# KiCad board Catancenter.kicad_pcb
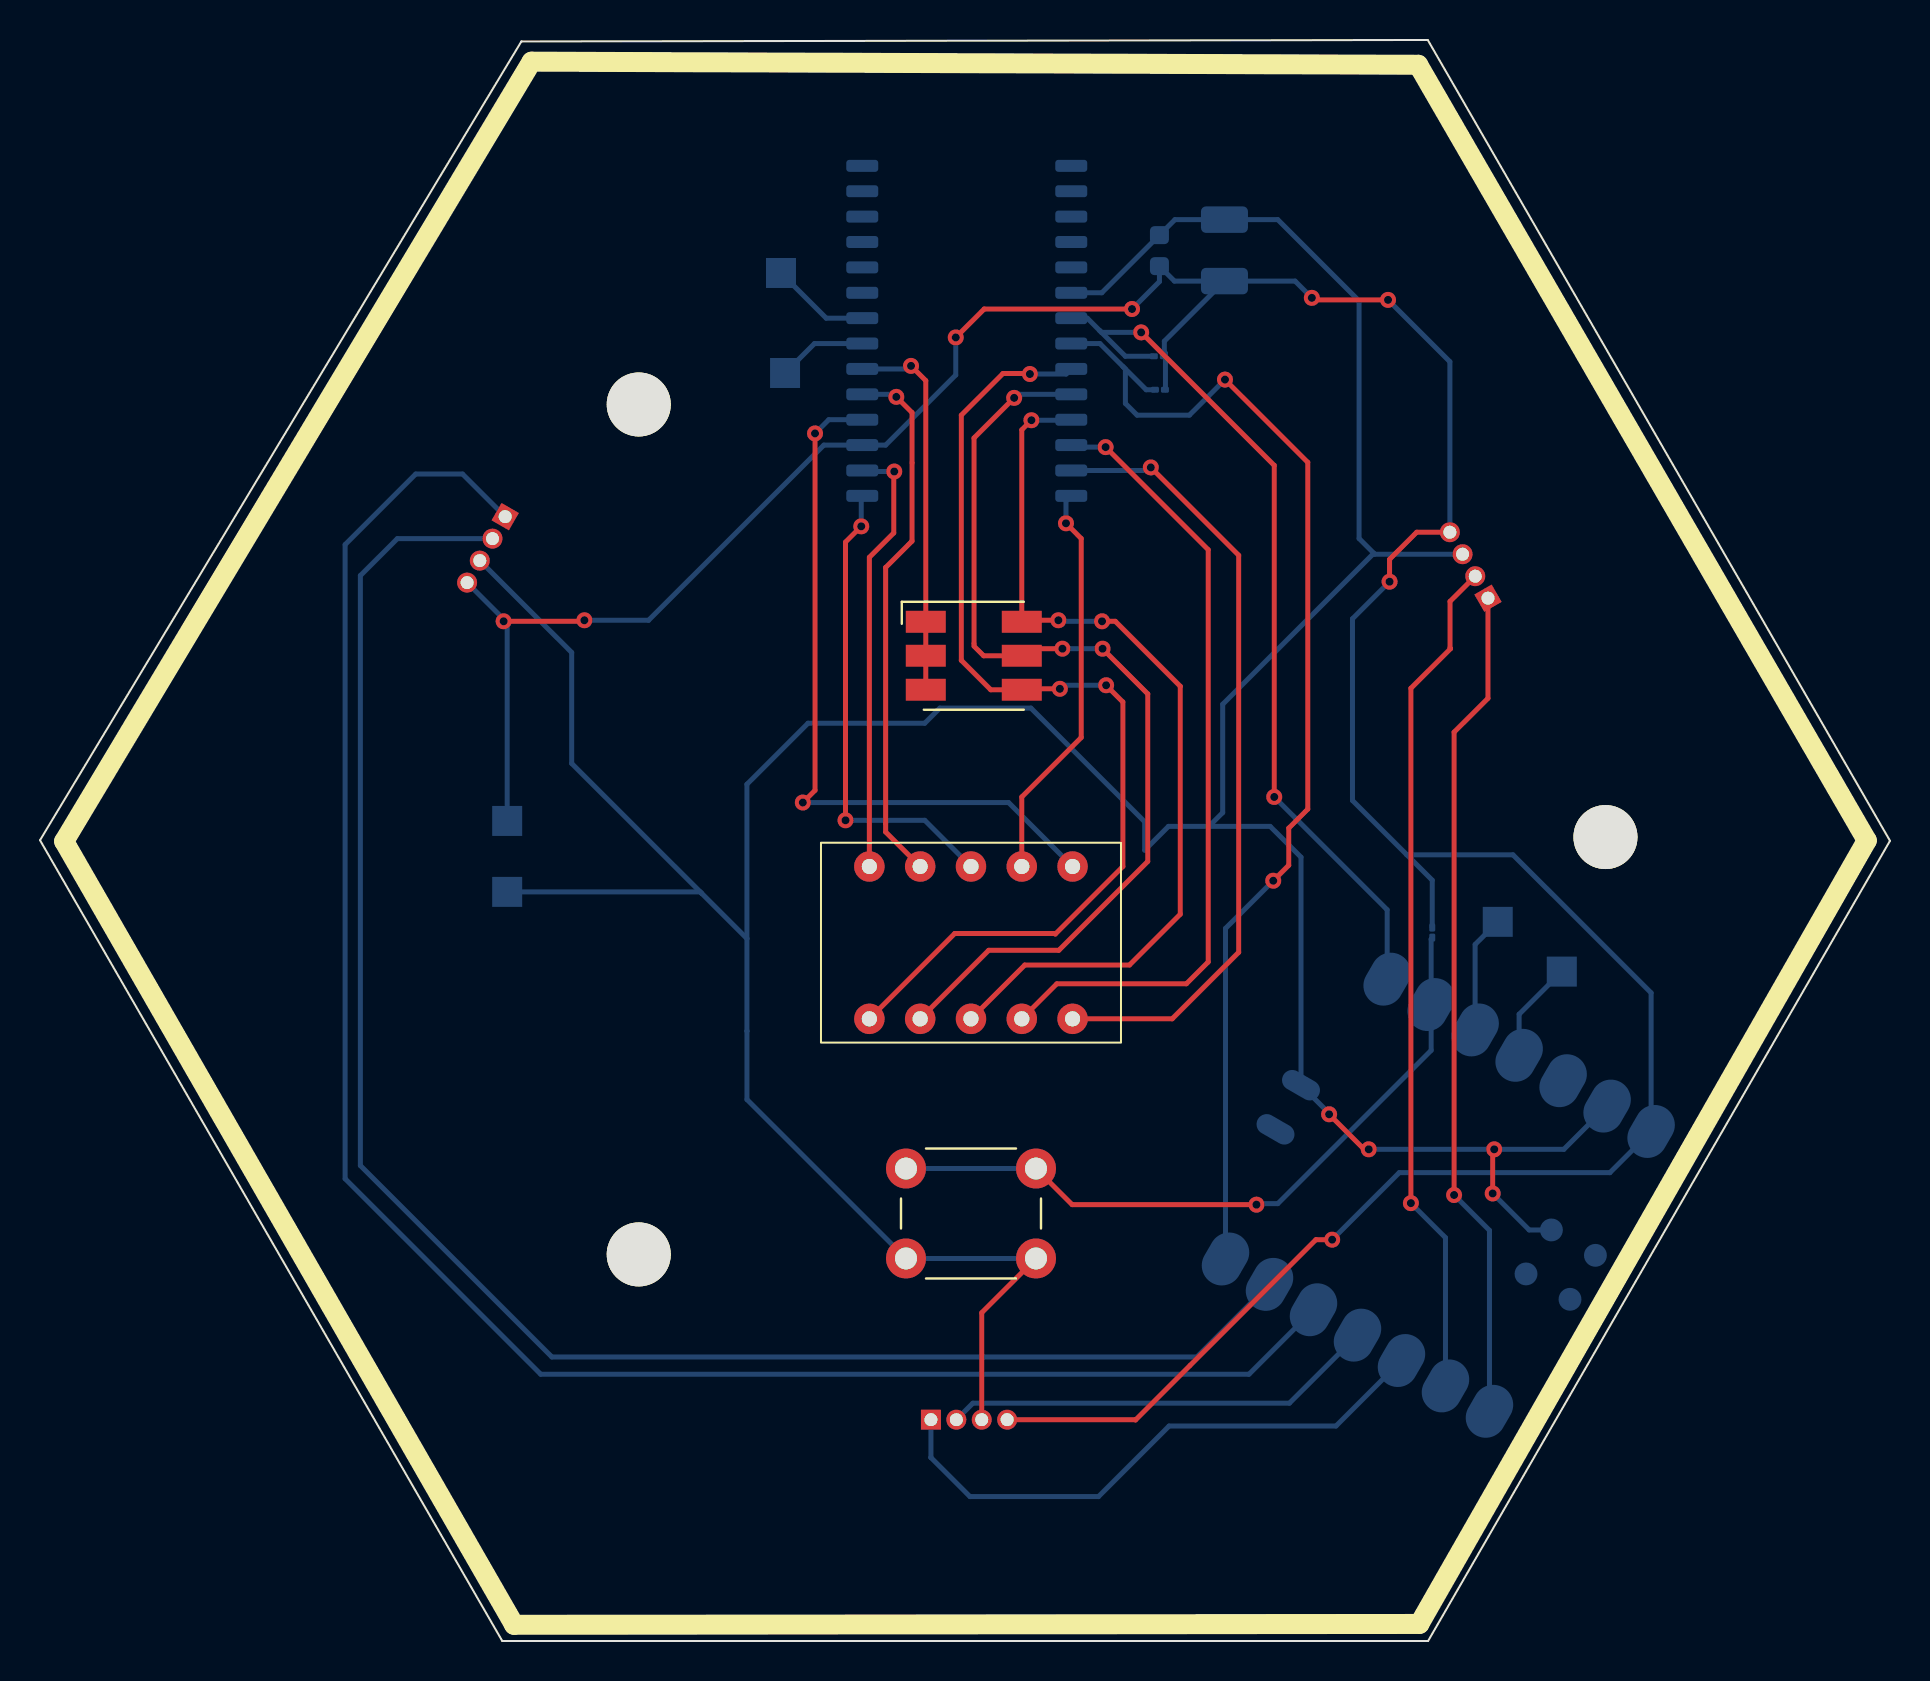
[diagram p0: board, top side]
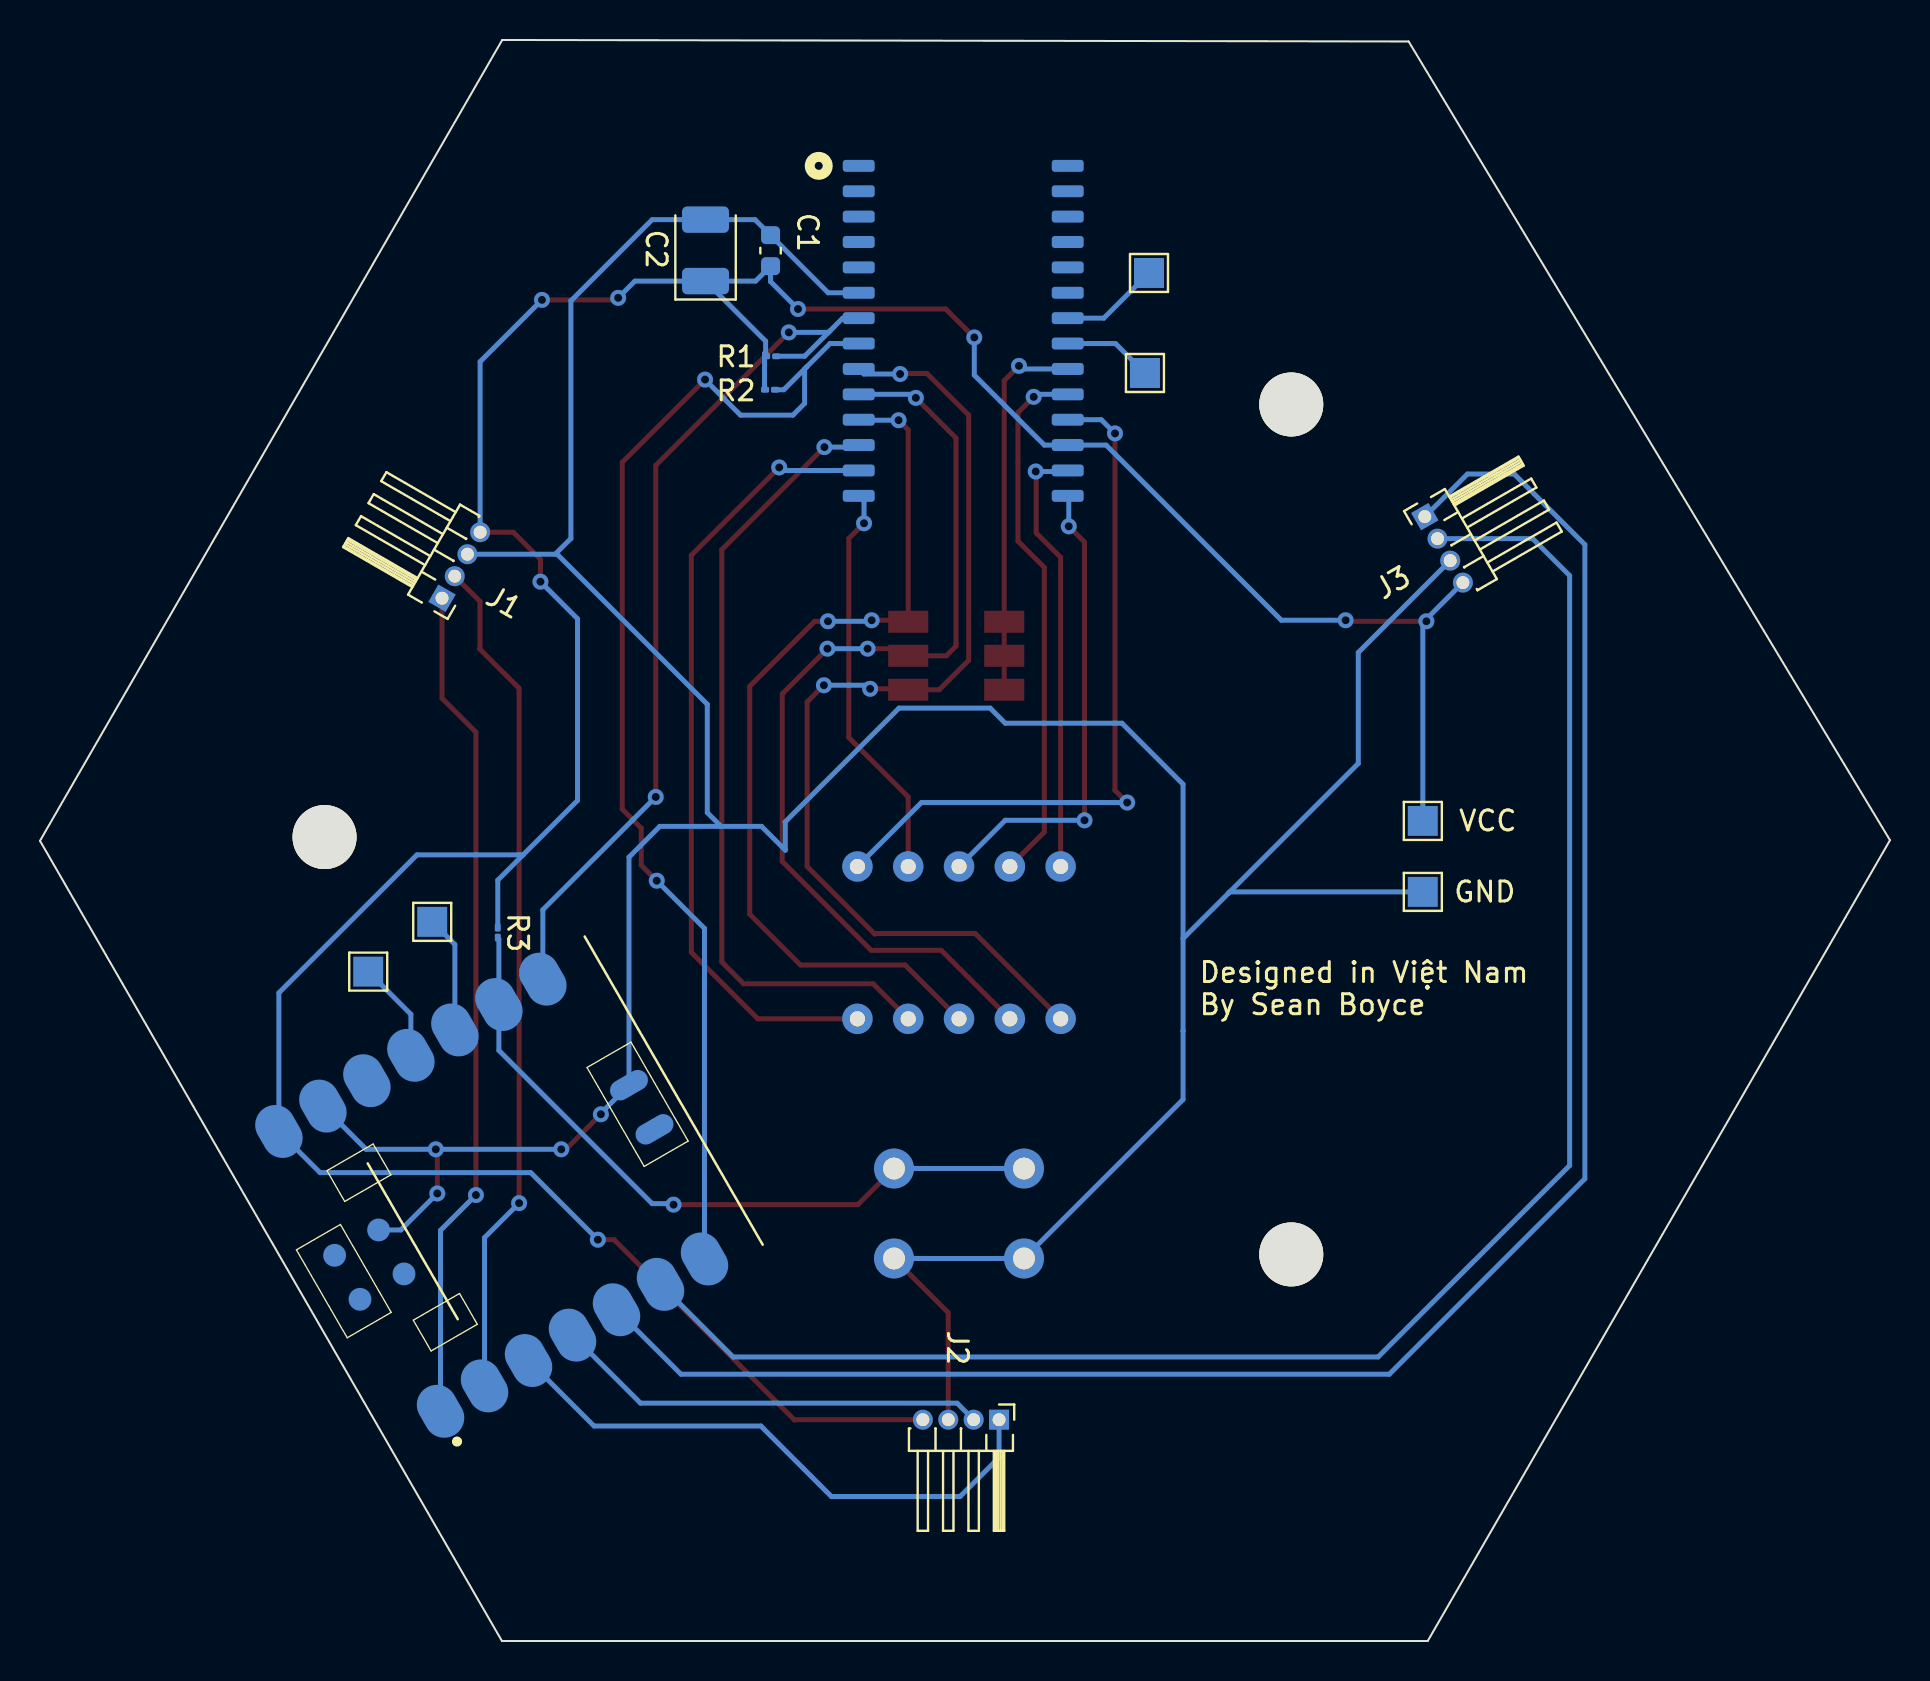
[diagram p1: board, bottom side, seen from below]

Outline 92.5 x 80.1 mm; copper layers: Top, Bottom. Coordinates in mm from the lower left corner of the outline.
Outline path: 0,40.06 23.11,0 69.4,0 92.5,40.03 69.39,80.1 24.07,80.02 0,40.06

## Placement (name value [footprint] x y rotation side)
C1  0.1uF  [C_0603_1608Metric]  55.97 69.56 90 bottom
C2  100uF  [CP_EIA-3528-12_Kemet-T]  59.22 69.57 90 bottom
D1  D2  [LED_RGB_5050-6]  46.69 49.29 0 top
GND  TestPoint  [TestPoint_Pad_1.5x1.5mm]  23.36 37.48 180 bottom
H1  MountingHole  [MountingHole_3.2mm_M3]  29.94 19.34 180 bottom
H4  MountingHole  [MountingHole_3.2mm_M3]  29.94 61.86 180 bottom
H5  MountingHole  [MountingHole_3.2mm_M3]  78.27 40.22 180 bottom
J1  Conn_01x04_Pin  [PinHeader_1x04_P1.27mm_Horizontal]  72.4 52.17 30 bottom
J2  Conn_01x04_Pin  [PinHeader_1x04_P1.27mm_Horizontal]  44.55 11.07 270 bottom
J3  Conn_01x04_Pin  [PinHeader_1x04_P1.27mm_Horizontal]  23.26 56.25 150 bottom
R1  10k  [R_01005_0402Metric]  55.94 64.27 180 bottom
R2  10k  [R_01005_0402Metric]  56 62.6 180 bottom
R3  10k  [R_01005_0402Metric]  69.61 35.44 270 bottom
SW1  SW_Push  [SW_PUSH_6mm]  43.3 23.64 0 top
TP1  TestPoint  [TestPoint_Pad_1.5x1.5mm]  76.09 33.49 180 bottom
TP2  TestPoint  [TestPoint_Pad_1.5x1.5mm]  72.89 35.98 180 bottom
TP3  TestPoint  [TestPoint_Pad_1.5x1.5mm]  37.25 63.44 180 bottom
TP4  TestPoint  [TestPoint_Pad_1.5x1.5mm]  37.05 68.44 180 bottom
U1  -  [TM1640]  51.56 73.8 180 bottom
U2  ~  [7seg2_small]  46.55 34.94 180 top
U3  SeeeduinoXIAO  [Seeeduino XIAO-MOUDLE14P-2.54-21X17.8MM]  56.37 19.83 60 bottom
VCC  TestPoint  [TestPoint_Pad_1.5x1.5mm]  23.36 41.03 180 bottom

## Library data of the parts
C1 = -: Description: Unpolarized capacitor
C2 = -: Description: Polarized capacitor
D1 = -: Description: RGB LED, 6 pin package
GND TP1-TP4 VCC = -: Description: test point
H1 H4 H5 = -: Description: Mounting Hole without connection
J1-J3 = -: Description: Generic connector, single row, 01x04, script generated
R1-R3 = -: Description: Resistor
SW1 = -: Description: Push button switch, generic, two pins

## Footprints (pads in the part's own frame, mm; a bottom-side part is the same pattern mirrored in y, then rotated)
7seg2_small
  round 1.524 hole 0.762: 1(5.08,3.81) 2(2.54,3.81) 3(0,3.81) 4(-2.54,3.81) 5(-5.08,3.81) 6(-5.08,-3.81) 7(-2.54,-3.81) 8(0,-3.81) 9(2.54,-3.81) 10(5.08,-3.81)
C_0603_1608Metric
  rrect 0.9x0.95 smd: 1(-0.775,0) 2(0.775,0)
CP_EIA-3528-12_Kemet-T
  rrect 1.325x2.35 smd: 1(-1.538,0) 2(1.538,0)
LED_RGB_5050-6
  rect 2x1.1 smd: 1(-2.4,1.7) 2(-2.4,0) 3(-2.4,-1.7) 4(2.4,-1.7) 5(2.4,0) 6(2.4,1.7)
MountingHole_3.2mm_M3
  round 3.2 hole 3.2 unplated: (0,0)
PinHeader_1x04_P1.27mm_Horizontal
  rect 1x1 hole 0.65: 1(0,0)
  oval 1x1 hole 0.65: 2(0,-1.27) 3(0,-2.54) 4(0,-3.81)
R_01005_0402Metric
  rrect 0.27x0.27 smd: (-0.275,0) (0.275,0)
  rrect 0.4x0.3 smd: 1(-0.25,0) 2(0.25,0)
Seeeduino XIAO-MOUDLE14P-2.54-21X17.8MM
  oval 2.748x1.999 smd: 1(0.833,18.118) 2(0.833,15.578) 3(0.833,13.038) 4(0.833,10.498) 5(0.833,7.958) 6(0.833,5.418) 7(0.833,2.878) 8(16.998,2.878) 9(16.998,5.418) 10(16.998,7.958) 11(16.998,10.498) 12(16.998,13.038) 13(16.998,15.578) 14(16.998,18.118)
  oval 1.016x2.032 smd: 15(7.7,1.8) 16(10.25,1.8)
  round 1.143 smd: 17(7.699,18.804) 18(10.239,18.804) 19(7.699,16.264) 20(10.239,16.264)
SW_PUSH_6mm
  round 2 hole 1.1: 1(0,0) 1(6.5,0) 2(0,-4.5) 2(6.5,-4.5)
TestPoint_Pad_1.5x1.5mm
  rect 1.5x1.5 smd: 1(0,0)
TM1640
  rrect 1.6x0.6 smd: 1(0,0) 2(0,-1.27) 3(0,-2.54) 4(0,-3.81) 5(0,-5.08) 6(0,-6.35) 7(0,-7.62) 8(0,-8.89) 9(0,-10.16) 10(0,-11.43) 11(0,-12.7) 12(0,-13.97) 13(0,-15.24) 14(0,-16.51) 15(10.45,-16.51) 16(10.45,-15.24) 17(10.45,-13.97) 18(10.45,-12.7) 19(10.45,-11.43) 20(10.45,-10.16) 21(10.45,-8.89) 22(10.45,-7.62) 23(10.45,-6.35) 24(10.45,-5.08) 25(10.45,-3.81) 26(10.45,-2.54) 27(10.45,-1.27) 28(10.45,0)

## Nets
Net-(D1-BA): D1.4 U1.9 U2.1
Net-(D1-BK): D1.1 D1.2 D1.3 U1.20
Net-(D1-GA): D1.5 U1.10 U2.2
Net-(D1-RA): D1.6 U1.11 U2.3
Net-(J1-Pin_1): J1.1 U3.1
Net-(J1-Pin_2): J1.2 U3.2
Net-(J1-Pin_3): C1.2 C2.2 GND.1 J1.3 J2.3 J3.3 SW1.2 U1.6 U3.13 U3.16 U3.20
Net-(J1-Pin_4): C1.1 C2.1 J1.4 J2.4 J3.4 R1.1 R2.1 R3.1 U1.17 U3.14 VCC.1
Net-(J2-Pin_1): J2.1 U3.3
Net-(J2-Pin_2): J2.2 U3.4
Net-(J3-Pin_1): J3.1 U3.5
Net-(J3-Pin_2): J3.2 U3.6
Net-(U1-DIN): R1.2 U1.7 U3.8
Net-(U1-GRID1): U1.18 U2.6
Net-(U1-GRID2): U1.19 U2.9
Net-(U1-GRID4): TP3.1 U1.21
Net-(U1-GRID5): TP4.1 U1.22
Net-(U1-SCLK): R2.2 U1.8 U3.7
Net-(U1-SEG4): U1.12 U2.4
Net-(U1-SEG5): U1.13 U2.5
Net-(U1-SEG6): U1.14 U2.7
Net-(U1-SEG7): U1.15 U2.8
Net-(U1-SEG8): U1.16 U2.10
Net-(U3-PA5_A9_D9_MISO): TP2.1 U3.10
Net-(U3-PA6_A10_D10_MOSI): TP1.1 U3.11
Net-(U3-PA7_A8_D8_SCK): R3.2 SW1.1 U3.9

Pads without a net: U1 1 2 3 4 5 23 24 25 26 27 28; U3 12 15 17 18 19

## Via types
v1: diameter 0.8, hole 0.4, Top to Bottom, 38 vias

## Routing (per net, layer and track width the routed paths; a pad name or vN(x,y) marks a point on that pad's centre or on a via; arc(x,y) is an arc through that point)
Net-(D1-BA): length 52
  Top w0.25: v1(49.5,63.38) 49.47,63.41 48.15,63.41 46.07,61.33 46.07,49.06 47.54,47.59 D1.4 49.14,47.64 v1(50.99,47.64) ; v1(53.31,47.81) 54.14,46.98 54.14,38.75 50.77,35.37 50.74,35.39 45.74,35.39 U2.1
  Bottom w0.25: U1.9 51.31,63.38 v1(49.5,63.38) ; v1(50.99,47.64) 51.17,47.81 v1(53.31,47.81)
Net-(D1-BK): length 19
  Top w0.25: v1(43.55,63.79) 44.29,63.05 D1.1 D1.2 D1.3
  Bottom w0.25: 41.11,63.64 43.4,63.64 v1(43.55,63.79)
Net-(D1-GA): length 49.2
  Top w0.25: v1(48.71,62.19) 46.7,60.18 46.7,49.77 47.18,49.29 48.64,49.29 48.64,49.29 D1.5 49.44,49.64 v1(51.12,49.64) ; v1(53.13,49.64) 55.39,47.38 55.39,39 50.94,34.56 47.44,34.56 U2.2
  Bottom w0.25: v1(48.71,62.19) 48.89,62.37 U1.10 ; 51.1,49.67 v1(51.12,49.64) v1(53.13,49.64)
Net-(D1-RA): length 45.6
  Top w0.25: U2.3 49.24,33.82 54.47,33.82 57.01,36.36 57.01,47.76 53.76,51.01 v1(53.1,51.01) ; v1(49.57,61.07) 49.09,60.59 D1.6 49.17,51.07 v1(50.92,51.07)
  Bottom w0.25: U1.11 51.54,61.07 v1(49.57,61.07) ; v1(53.1,51.01) 50.97,51.01 v1(50.92,51.07)
Net-(J1-Pin_1): length 42.1
  Top w0.25: J1.1 72.4,47.16 70.7,45.47 v1(70.7,22.31)
  Bottom w0.25: v1(70.7,22.31) 72.47,20.54 U3.1
Net-(J1-Pin_2): length 42.6
  Top w0.25: v1(68.55,21.91) 68.55,47.66 70.53,49.64 70.5,49.67 70.5,52.01 J1.2
  Bottom w0.25: U3.2 70.27,20.18 v1(68.55,21.91)
Net-(J1-Pin_3): length 198.1
  Top w0.25: v1(72.71,24.6) 72.64,24.52 v1(72.64,22.39) ; v1(66.44,24.6) 66.21,24.6 v1(64.46,26.35) ; 47.09,11.07 47.09,16.43 SW1.2
  Bottom w0.25: v1(66.44,24.6) v1(72.71,24.6) 76.19,24.6 U3.13 ; U3.20 74.46,20.56 v1(72.64,22.39) ; 35.35,35.14 35.35,42.86 38.4,45.91 44.24,45.91 44.99,46.67 49.55,46.67 55.24,40.98 55.24,39.56 56.42,40.75 58.45,40.75 ; 35.35,35.14 33.09,37.4 ; 35.35,35.14 35.35,30.52 35.35,30.52 35.35,27.09 SW1.2 SW1.2 ; GND.1 33.01,37.48 33.09,37.4 ; 66.69,54.42 59.14,46.86 59.14,41.44 58.45,40.75 ; v1(64.46,26.35) 64.46,26.4 U3.16 63.05,39.21 61.51,40.75 58.45,40.75 ; 33.09,37.4 26.59,43.9 26.59,49.45 J3.3 ; U1.6 53.09,67.45 C1.2 56.75,71.11 C2.2 61.89,71.11 65.96,67.04 65.96,55.16 66.74,54.37 J1.3
Net-(J1-Pin_4): length 171
  Top w0.25: v1(64.61,20.08) 63.8,20.08 54.78,11.06 54.77,11.07 J2.4 ; v1(54.6,66.64) 47.21,66.64 v1(45.79,65.21) ; J1.4 68.84,55.47 67.48,54.11 v1(67.48,53) ; v1(67.4,67.09) 63.69,67.09 v1(63.59,67.19) ; v1(23.18,51.01) 27.17,51.01 v1(27.22,51.07)
  Bottom w0.25: C2.1 56.72,68.03 C1.1 55.97,68.01 v1(54.6,66.64) ; C2.1 56.22,65.03 56.22,64.48 ; C2.1 62.75,68.03 v1(63.59,67.19) ; J1.4 70.49,64 v1(67.4,67.09) ; v1(45.79,65.21) 45.79,63.33 42.28,59.83 39.19,59.83 30.43,51.07 v1(27.22,51.07) ; 56.22,64.48 56.22,64.27 ; 56.22,64.48 56.27,64.42 56.27,62.6 ; v1(64.61,20.08) 67.96,23.43 78.5,23.43 U3.14 80.56,32.43 73.65,39.33 68.34,39.33 ; 68.34,39.33 69.61,38.06 69.61,35.72 ; 68.34,39.33 65.62,42.05 65.62,51.14 v1(67.48,53) ; VCC.1 23.36,50.84 v1(23.18,51.01) 23.18,51.12 J3.4
Net-(J2-Pin_1): length 29.1
  Bottom w0.25: U3.3 64.8,10.76 56.46,10.76 52.92,7.23 46.5,7.23 44.54,9.18 44.55,9.19 J2.1
Net-(J2-Pin_2): length 21.8
  Bottom w0.25: U3.4 62.47,11.9 46.64,11.9 J2.2
Net-(J3-Pin_1): length 95.9
  Bottom w0.25: J3.1 21.13,58.38 18.79,58.38 15.26,54.85 15.26,23.13 25.04,13.35 60.45,13.35 U3.5
Net-(J3-Pin_2): length 87.8
  Bottom w0.25: U3.6 57.84,14.21 25.59,14.21 16.02,23.79 16.02,53.3 17.87,55.15 J3.2
Net-(U1-DIN): length 44.5
  Top w0.25: v1(55.06,65.47) 61.71,58.81 v1(61.71,42.23)
  Bottom w0.25: v1(61.71,42.23) 67.36,36.58 U3.8 ; U1.7 52.36,66.18 52.99,65.56 ; 55.67,64.27 54.27,64.27 52.99,65.56 ; v1(55.06,65.47) 53.08,65.47 52.99,65.56
Net-(U1-GRID1): length 36.2
  Top w0.25: v1(38.75,60.41) 38.75,42.56 v1(38.14,41.95)
  Bottom w0.25: v1(38.75,60.41) 39.44,61.1 41.11,61.1 ; U2.6 48.43,41.95 v1(38.14,41.95)
Net-(U1-GRID2): length 27
  Top w0.25: U2.9 42.28,40.47 42.28,53.71 43.6,55.03 43.6,61.45 v1(42.82,62.24)
  Bottom w0.25: v1(42.82,62.24) 42.69,62.37 41.11,62.37 41.24,62.24
Net-(U1-GRID4): length 4.5
  Bottom w0.25: 41.11,64.91 38.73,64.91 TP3.1
Net-(U1-GRID5): length 5
  Bottom w0.25: TP4.1 39.31,66.18 41.11,66.18
Net-(U1-SCLK): length 60.4
  Top w0.25: v1(61.66,38.04) 62.44,38.81 62.44,40.67 63.39,41.62 63.39,58.97 v1(59.25,63.11)
  Bottom w0.25: U3.7 59.28,35.65 v1(61.66,38.04) ; v1(59.25,63.11) 57.47,61.33 54.86,61.33 54.27,61.91 54.27,63.64 54.16,63.75 ; 54.16,63.75 53,64.91 U1.8 ; 54.16,63.75 55.31,62.6 55.72,62.6
Net-(U1-SEG4): length 40.1
  Top w0.25: U2.4 50.84,32.88 57.32,32.88 58.41,33.97 58.41,54.6 v1(53.28,59.73)
  Bottom w0.25: v1(53.28,59.73) 51.67,59.73 U1.12
Net-(U1-SEG5): length 39.8
  Top w0.25: U2.5 56.61,31.13 59.94,34.45 59.94,54.32 v1(55.54,58.71)
  Bottom w0.25: U1.13 55.39,58.56 v1(55.54,58.71)
Net-(U1-SEG6): length 20.2
  Top w0.25: v1(51.3,55.92) 52.06,55.16 52.06,45.2 49.09,42.23 U2.7
  Bottom w0.25: U1.14 51.3,57.02 v1(51.3,55.92)
Net-(U1-SEG7): length 23.8
  Top w0.25: v1(40.28,41.06) 40.28,54.98 v1(41.06,55.76)
  Bottom w0.25: v1(40.28,41.06) 44.24,41.06 U2.8 ; 41.11,57.29 41.06,57.24 v1(41.06,55.76)
Net-(U1-SEG8): length 21.9
  Top w0.25: v1(42.71,58.51) 42.69,58.48 42.69,55.43 41.47,54.22 U2.10
  Bottom w0.25: 41.11,58.56 41.16,58.51 v1(42.71,58.51)
Net-(U3-PA5_A9_D9_MISO): length 5.9
  Bottom w0.25: U3.10 71.76,34.85 TP2.1
Net-(U3-PA6_A10_D10_MOSI): length 5.1
  Bottom w0.25: TP1.1 73.96,31.36 U3.11
Net-(U3-PA7_A8_D8_SCK): length 35.8
  Top w0.25: SW1.1 51.61,21.83 v1(60.82,21.83)
  Bottom w0.25: SW1.1 SW1.1 ; v1(60.82,21.83) 60.88,21.88 61.89,21.88 69.56,29.55 U3.9 69.56,35.11 69.61,35.17

## Text on the board
B.Silkscreen: Designed in Việt Nam / By Sean Boyce
